# Altium PCB egse_pcb.PcbDoc (part 1 of 3) (continued)
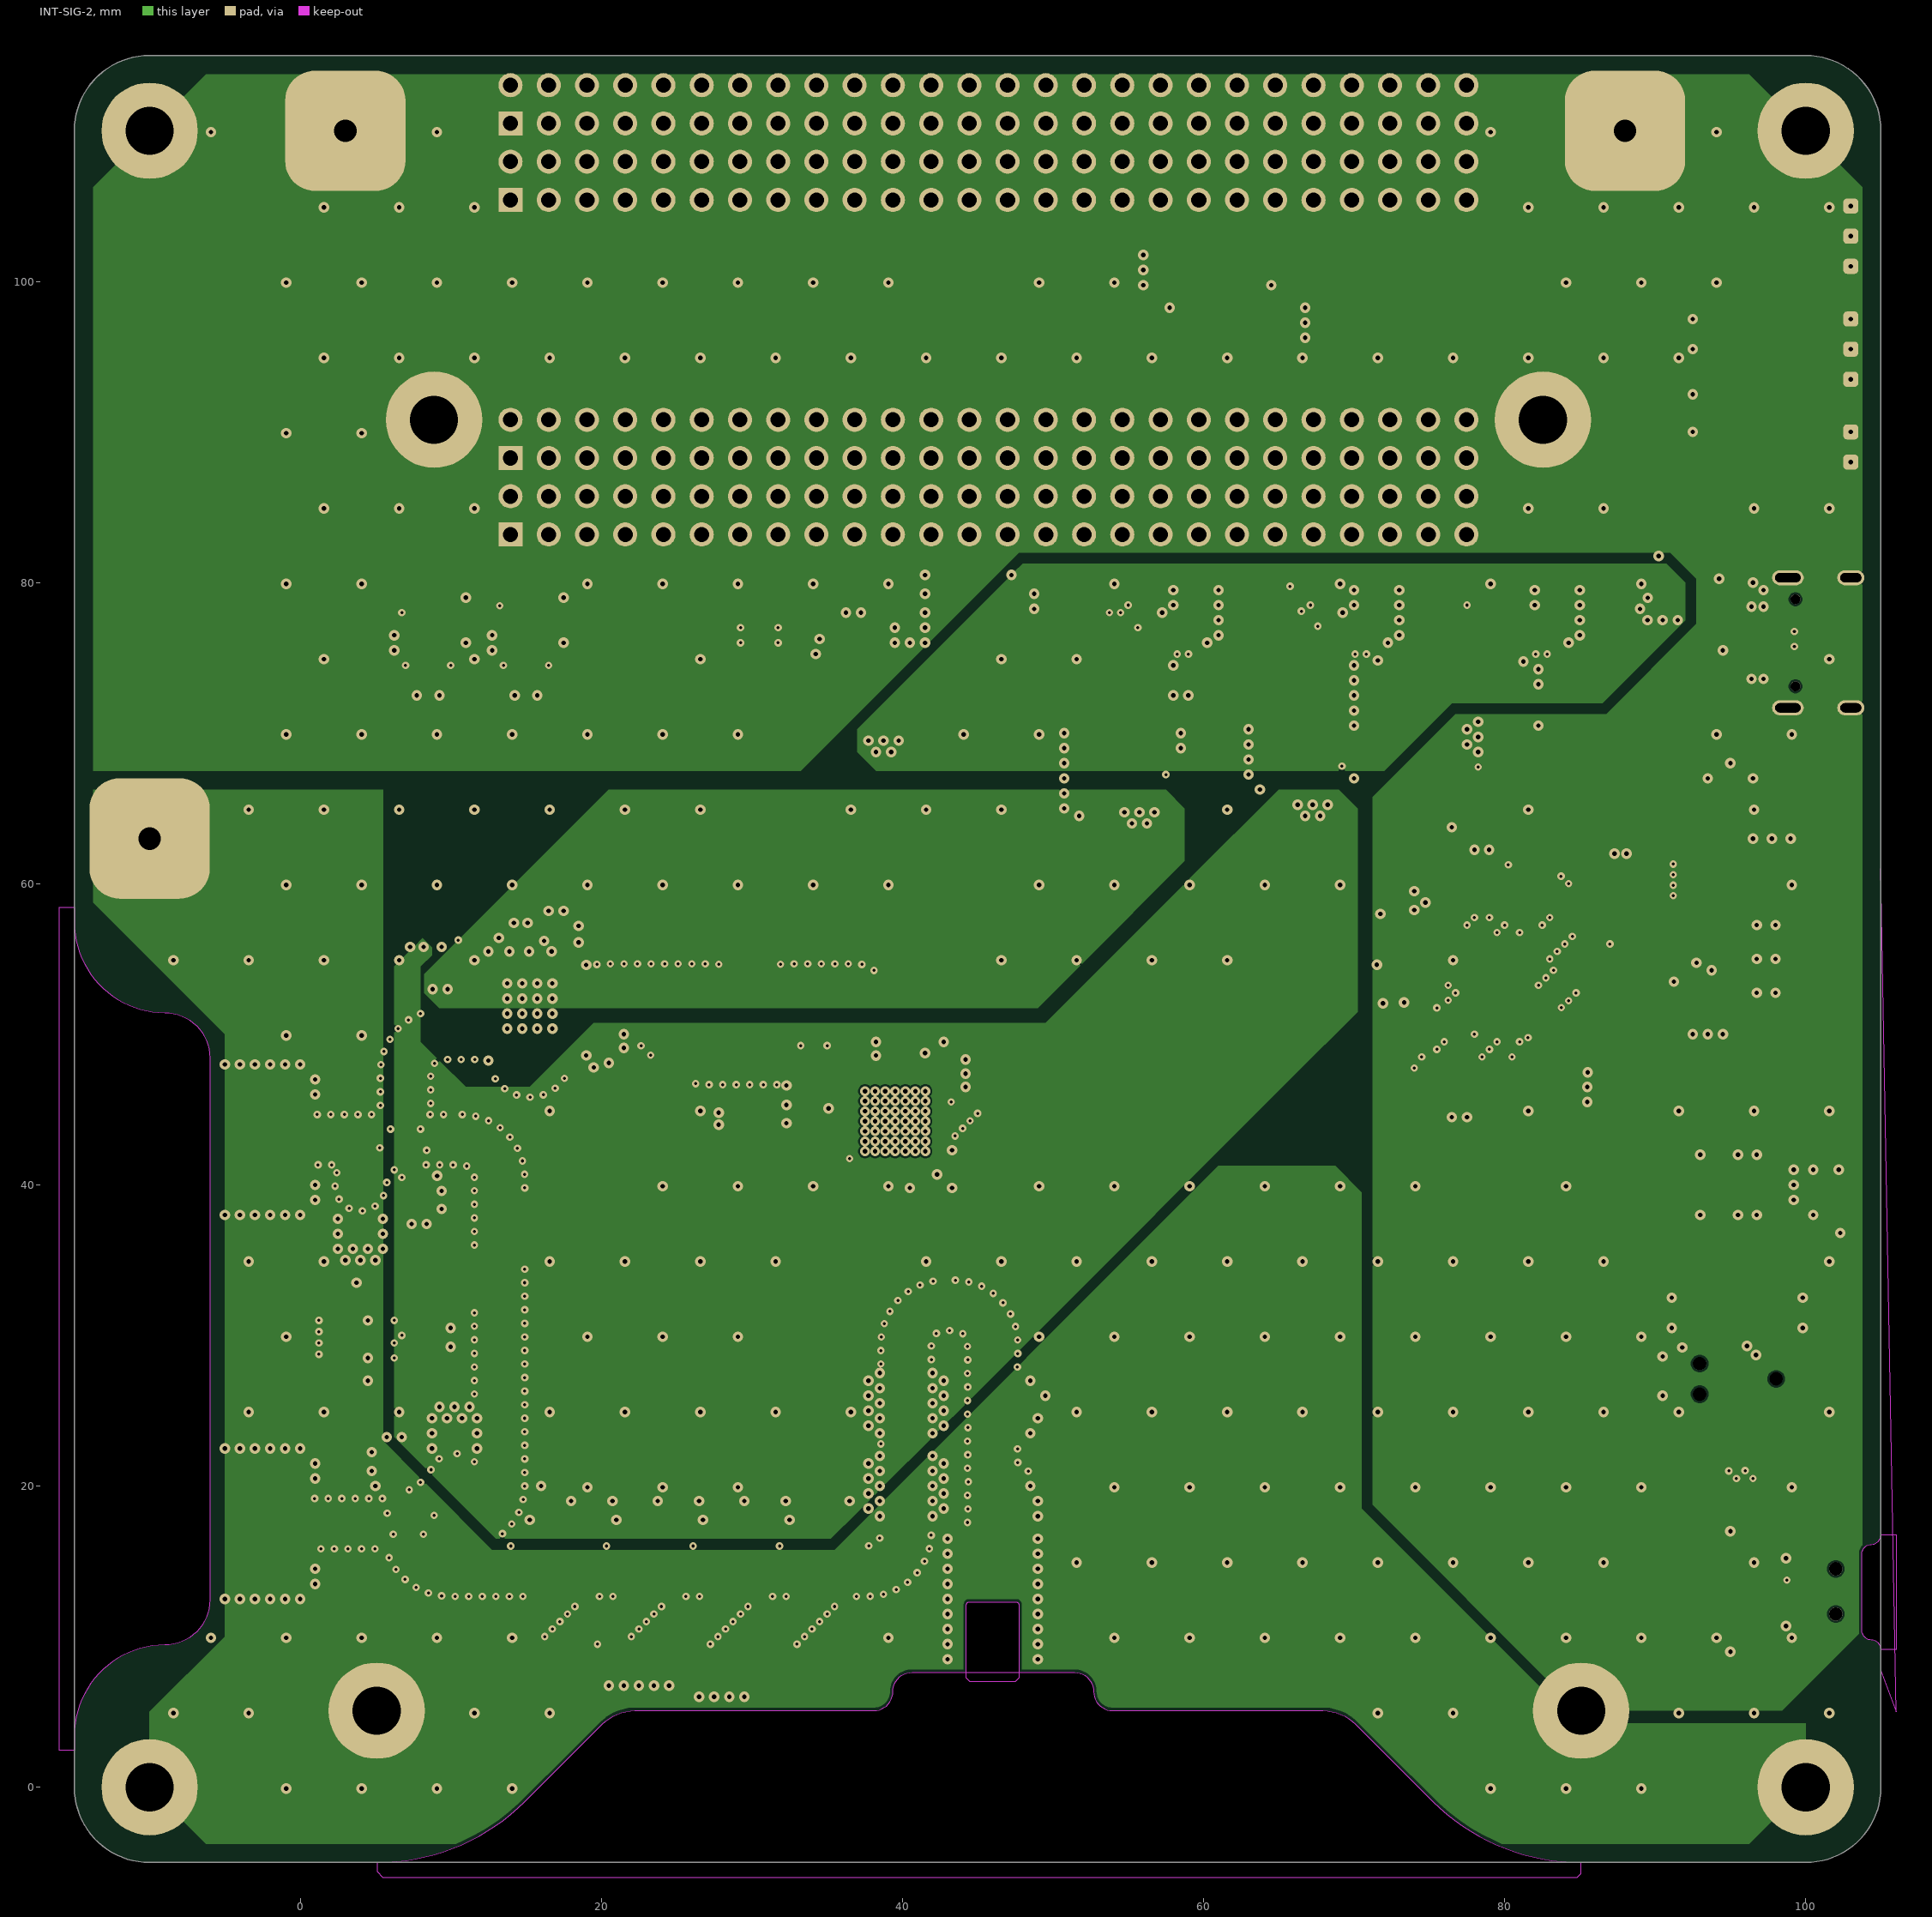
[diagram p4: INT-SIG-2]
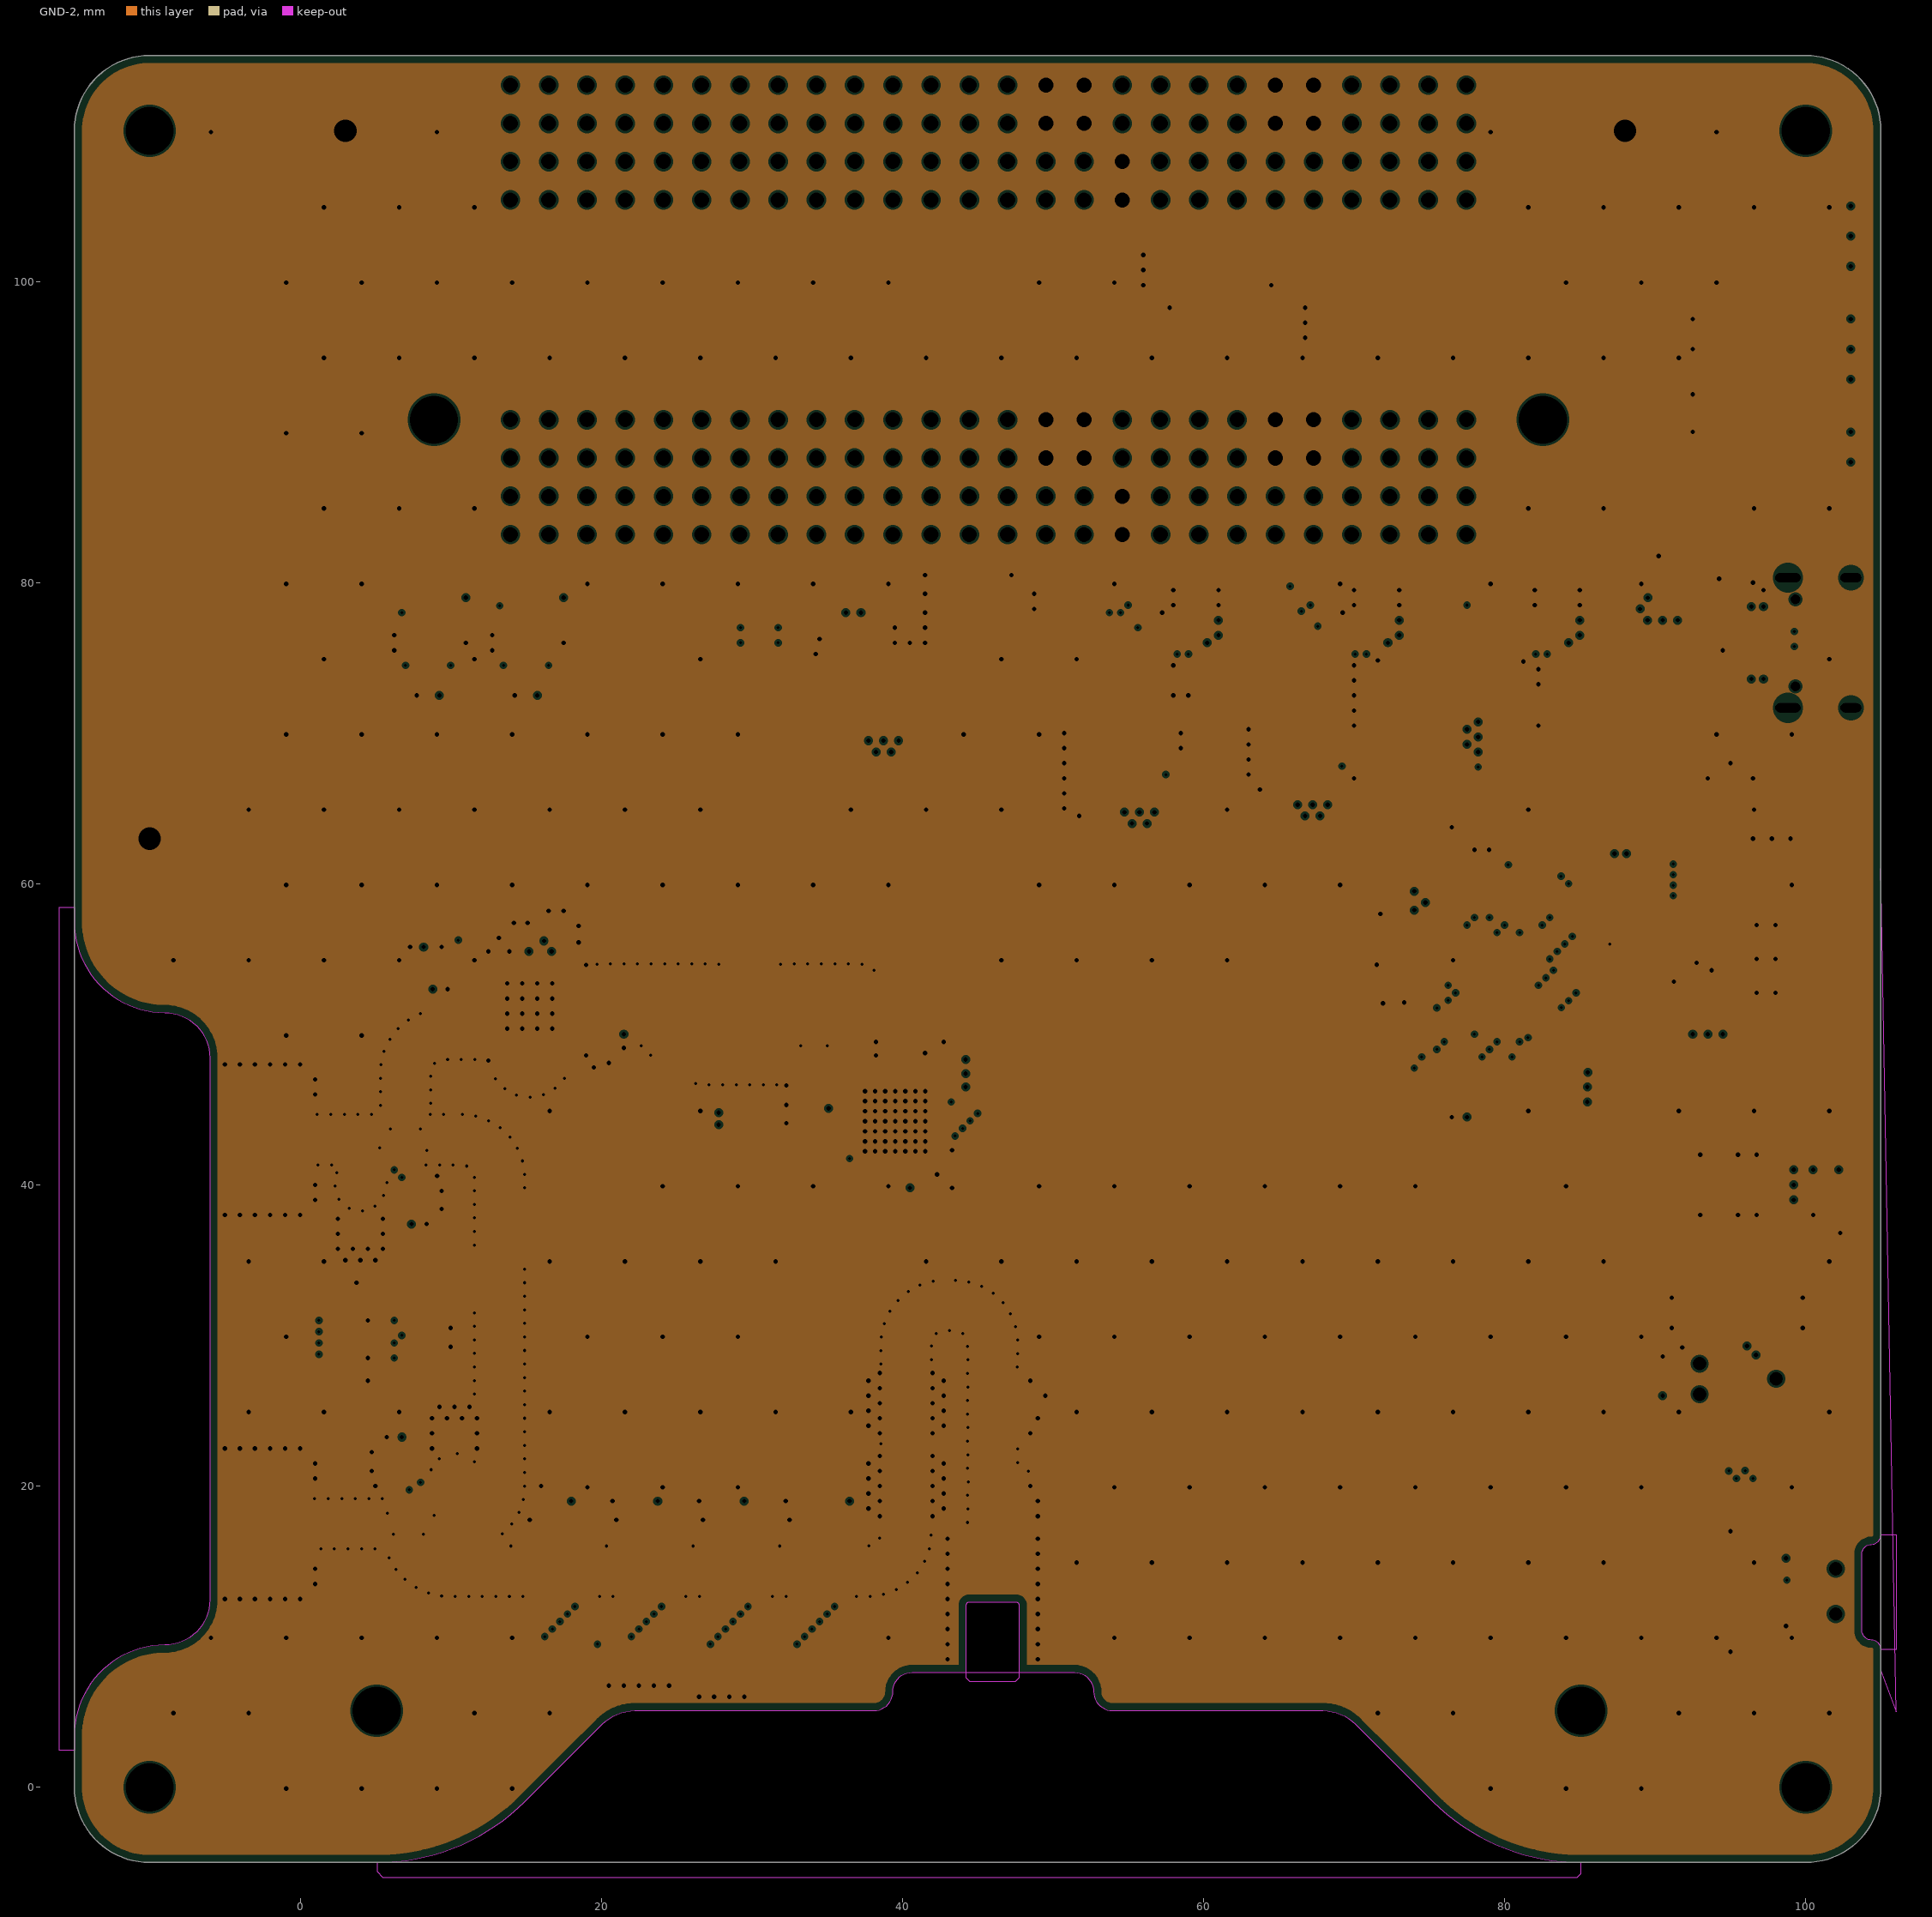
[diagram p5: GND-2, clearances drawn from the general rule]
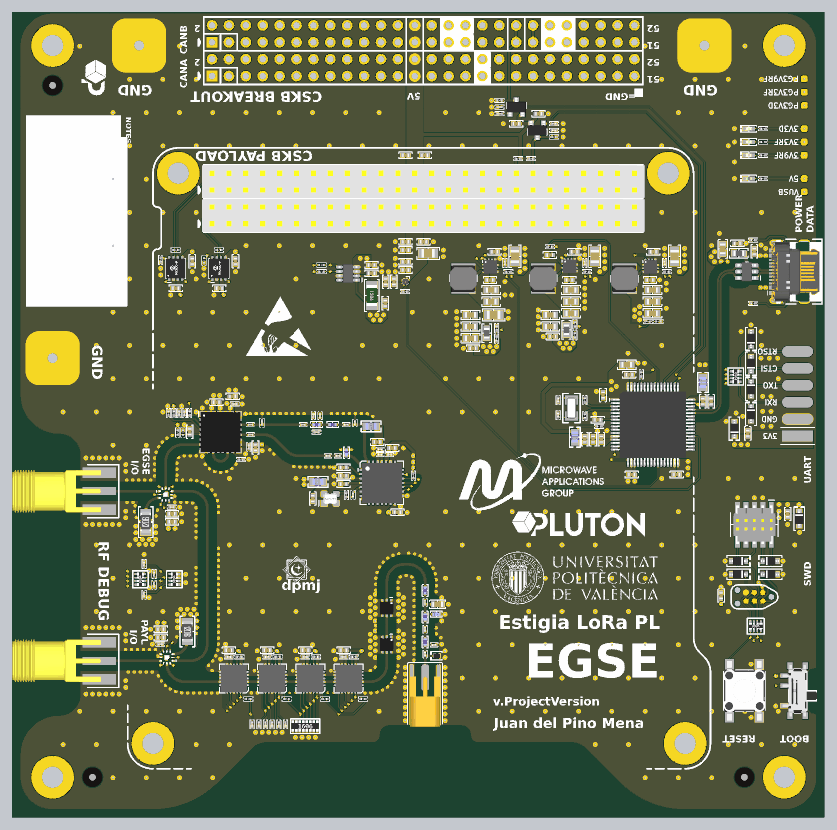
[diagram p8: 3D render of the assembled board from above, using the file's embedded part models]

## Layer stack, top to bottom
Top Solder: solder mask 0.0254, SM-001, Dk 4
Top Layer: signal copper 0.0175
Dielectric-1: prepreg 0.22, PP-006, Dk 4.1
GND-1: plane copper 0.035, net GND
Core-1: core 0.35, Core-035, Dk 4.7
INT-SIG-1: signal copper 0.035
Dielectric-2: prepreg 0.22, PP-006, Dk 4.1
INT-SIG-2: signal copper 0.035
Core-2: core 0.35, Core-035, Dk 4.7
GND-2: plane copper 0.035, net GND
Dielectric-3: prepreg 0.22, PP-006, Dk 4.1
Bottom Layer: signal copper 0.0175
Bottom Solder: solder mask 0.0254, SM-001, Dk 4

## Board outline
-15,0 -15,110 cw(c-10,110) -10,115 100,115 cw(c100,110) 105,110 105,0 cw(c100,0) 100,-5 -10,-5 cw(c-10,0)
cut-out: 106.008,16.76 106.008,9.14 105.008,9.14 ccw(c104.373,9.14) 104.373,9.775 cw(c104.373,10.41) 103.738,10.41 103.738,15.49 cw(c104.373,15.49) 104.373,16.125 ccw(c104.373,16.76) 105.008,16.76
cut-out: -16,2.441 -16,58.441 -15,58.441 -15,57.441 ccw(c-9,57.441) -9,51.441 cw(c-9,48.441) -6,48.441 -6,30.441 -6,12.441 cw(c-9,12.441) -9,9.441 ccw(c-9,3.441) -15,3.441 -15,2.441
cut-out: 5.5,-6 5.125,-5.625 5.125,-5 ccw(c5.125,8.893) 14.949,-0.931 18.048,2.168 20.074,4.187 cw(c22.23,2.031) 22.23,5.08 38.1,5.08 ccw(c38.1,6.35) 39.37,6.35 cw(c40.64,6.35) 40.64,7.62 51.435,7.62 cw(c51.435,6.35) 52.705,6.35 ccw(c53.975,6.35) 53.975,5.08 67.945,5.08 cw(c67.945,2.031) 70.101,4.187 72.127,2.168 75.226,-0.931 ccw(c85.05,8.893) 85.05,-5 85.05,-5.748 84.797,-6
cut-out: 44.25,7.25 44.25,12.1 cw(c44.45,12.1) 44.45,12.3 47.55,12.3 cw(c47.55,12.1) 47.75,12.1 47.75,7.25 47.5,7 44.5,7
cut-out: 105,7.73 106,5 105,61

## Design rules (kind name [scope] priority, off if disabled: settings)
BoardOutlineClearance BoardOutlineClearance_MH_SH [InComponent('MH1') Or InComponent('MH2') Or InComponent('SH1')] p1: gap=0 ignorepadtopadclearanceinfootprint=FALSE
BoardOutlineClearance BoardOutlineClearance_layers [WithinRoom('layers_room')] p2: gap=0 ignorepadtopadclearanceinfootprint=FALSE
BoardOutlineClearance BoardOutlineClearance_EARTH [InNet('EARTH')] p3: gap=0.1 ignorepadtopadclearanceinfootprint=FALSE
BoardOutlineClearance [All] p4: gap=0.2 ignorepadtopadclearanceinfootprint=FALSE
Clearance "Stitching GND" [IsStitchingVia and InNet('GND') vs (IsVia and (Not IsStitchingVia)) Or IsPad] p1: gap=0.15 ignorepadtopadclearanceinfootprint=FALSE
Clearance [All] p2: gap=0.125 ignorepadtopadclearanceinfootprint=TRUE
ComponentClearance clearance_shield [InComponent('SH1')] p1: gap=0 collisioncheckmode=3 verticalgap=0.254 showdistances=FALSE
ComponentClearance [All] p2: gap=0.254 collisioncheckmode=3 verticalgap=0.254 showdistances=FALSE
DiffPairsRouting "Schematic Differential Pairs Routing" [InNetClass('USB90')] p1: maxlimit=0.127 minlimit=0.127 mostfreqgap=0.127 toplayer_minwidth=0.269 toplayer_maxwidth=0.269 toplayer_prefwidth=0.269 bottomlayer_minwidth=0.269 bottomlayer_maxwidth=0.269 bottomlayer_prefwidth=0.269 impedanceprofiledriven=TRUE impedanceprofileid={5D9F00A7-B8B1-40F5-8B71-307B2CF47BC8} impedanceprofilevalue=90.000000 maxuncoupledlength=12.7
DiffPairsRouting Diff_100ohmDiffPairsRouting [InDifferentialPairClass('Diff_100ohm')] p2: maxlimit=0.127 minlimit=0.127 mostfreqgap=0.127 toplayer_minwidth=0.181 toplayer_maxwidth=0.181 toplayer_prefwidth=0.181 midlayer1_minwidth=0.109 midlayer1_maxwidth=0.109 midlayer1_prefwidth=0.109 midlayer2_minwidth=0.109 midlayer2_maxwidth=0.109 midlayer2_prefwidth=0.109 bottomlayer_minwidth=0.181 bottomlayer_maxwidth=0.181 bottomlayer_prefwidth=0.181 maxuncoupledlength=12.7
DiffPairsRouting Diff_90ohmDiffPairsRouting [InDifferentialPairClass('Diff_90ohm')] p3: maxlimit=0.127 minlimit=0.127 mostfreqgap=0.127 toplayer_minwidth=0.334 toplayer_maxwidth=0.334 toplayer_prefwidth=0.334 midlayer1_minwidth=0.381 midlayer1_maxwidth=0.381 midlayer1_prefwidth=0.381 midlayer2_minwidth=0.381 midlayer2_maxwidth=0.381 midlayer2_prefwidth=0.381 bottomlayer_minwidth=0.334 bottomlayer_maxwidth=0.334 bottomlayer_prefwidth=0.334 impedanceprofiledriven=TRUE maxuncoupledlength=5
DiffPairsRouting [All] p4: maxlimit=0.2 minlimit=0.2 mostfreqgap=0.2 toplayer_minwidth=0.16 toplayer_maxwidth=0.3 toplayer_prefwidth=0.2 midlayer1_minwidth=0.16 midlayer1_maxwidth=0.3 midlayer1_prefwidth=0.2 midlayer2_minwidth=0.16 midlayer2_maxwidth=0.3 midlayer2_prefwidth=0.2 bottomlayer_minwidth=0.16 bottomlayer_maxwidth=0.3 bottomlayer_prefwidth=0.2 maxuncoupledlength=12.7
HoleSize [All] p1: absolutevalues=TRUE maxlimit=6 minlimit=0.2 maxpercent=80.000 minpercent=20.000
HoleToHoleClearance [All] p1: gap=0.25 allowstackedmicrovias=FALSE
MatchedLengths ETH_iterpair_skew [InNetClass('ETH')] p1: tolerance=1.2 checknetsindiffpair=FALSE checkdiffpairvsdiffpair=TRUE checkxsignals=TRUE checkothers=TRUE
MatchedLengths GETH_interpair_skew [InNetClass('GETH')] p2: tolerance=15.2 checknetsindiffpair=FALSE checkdiffpairvsdiffpair=TRUE checkxsignals=TRUE checkothers=TRUE
MatchedLengths Diff_100ohm_intrapair_skew [InDifferentialPairClass('Diff_100ohm')] p3: tolerance=1.2 checknetsindiffpair=TRUE checkdiffpairvsdiffpair=FALSE checkxsignals=FALSE checkothers=FALSE
MatchedLengths Diff_90ohm_intrapair_skew [InDifferentialPairClass('Diff_90ohm')] p4: tolerance=1.2 checknetsindiffpair=TRUE checkdiffpairvsdiffpair=FALSE checkxsignals=FALSE checkothers=FALSE
MinimumSolderMaskSliver [All] p1: minsoldermaskwidth=0.01
PlaneClearance [All] p1: clearance=0.15
PlaneConnect [All] p1: planeconnectstyle=Direct reliefexpansion=0.2 reliefentries=4 reliefconductorwidth=0.2 reliefairgap=0.2
PolygonConnect [All] p1: connectstyle=Direct reliefconductorwidth=0.2 reliefentries=4 polygonreliefangle="90 Angle" airgapwidth=0.2
RoutingCorners [All] p1: cornerstyle=45-Degree minsetback=2 maxsetback=2
RoutingVias [All] p1: holewidth=0.3 width=0.6 viastyle="Through Hole" minholewidth=0.3 minwidth=0.6 maxholewidth=1 maxwidth=1.6 useviatemplates=TRUE viatemplateguid#1={7E20F277-5AD4-4BAB-A48F-36B6D57E2C09} viatemplateguid#2={9CB345A1-62E7-492A-B2AB-DDCF87C1DB40} viatemplatename#1=v40h20_lib viatemplatename#2=v60h30_lib
SilkToSilkClearance [All] p1: silktosilkclearance=0.08
SilkToSolderMaskClearance [IsPad] p1: minsilkscreentomaskgap=0.06 clearancetoexposedcopper=TRUE
SolderMaskExpansion SolderMaskExpansion_Via [IsVia] p1: expansion=0.06 istentingtop=FALSE soldermaskfromhole=TRUE
SolderMaskExpansion [All] p2: expansion=0.06 istentingtop=FALSE
Width "Schematic Width Constraint_1" [InNetClass('RF50')] p1: maxlimit=0.408 minlimit=0.104 preferedwidth=0.408 toplayer_minwidth=0.408 bottomlayer_minwidth=0.408 impedanceprofiledriven=TRUE impedanceprofileid={4A297F17-62FD-4640-AB84-8445B2A8D4CA} impedanceprofilevalue=50.000000 minimp=50.000000 maximp=50.000000 favimp=50.000000
Width "Schematic Width Constraint_5" [InNetClass('POWER')] p2: maxlimit=0.5 minlimit=0.3 preferedwidth=0.4 minimp=50.000000 maximp=50.000000 favimp=50.000000
Width [All] p3: maxlimit=2 minlimit=0.15 preferedwidth=0.15
20 further rules are at their usual default settings.

## Classes and differential pairs
component class "BUS BREAKOUT": CN202 CN203
net class USB90: USB.D_N USB.D_P USBC.D_4_N USBC.D_4_P
net class RF50: ANT_BPF_6 ANT_ESD_6 ANT_LPF_6 ANTENNA MID_BPF_6 NetC510_1 NetC511_1 PLRF.FIX1_7 PLRF.FIX2_7 PLRF.VAR1_7 PLRF.VAR2_7 PLRF.VAR3_7 RA.RFI_10 RA.RFO_10 RF_IO RF_IO_ATT RF_RXIN RF_TXIN RFI1_10 RFO1_10 RFO2_10 RFO3_10 RFSW.RX12_9 RFSW.RXOUT_9 RFSW.TXIN_9 SW1.INOUT_8 SW1.LOAD_8 SW1.SMA_8 SW2.LOAD_8 SW2.SMA_8
net class POWER: DC3V3.SW_11 RA.VR_ANA_10 RA.VR_DIG_10 RA.VR_PA_10 RF3V3.SW_11 RF3V3.VO_11 RF3V9.SW_11 RF3V9.VO_11 VBUS_USB VCC_3V3 VCC_BUS_5V_CTRL VCC_RF_3V3 VCC_RF_3V9 VCC_SAT_5V VCC_USB_5V VDDA_3V3
component class TRANSCEIVER: C539 C540 C541 C542 C543 C544 C545 C546 C547 C548 C549 C550 C551 C552 C553 C554 C555 C556 C557 C558 C559 C560 L504 L505 L506 L507 L508 U509 Y561
component class "RF SWITCHES": C523 C524 C525 C526 C527 C528 EGSE_IO PAYL_IO R511 R512 U506 U507
component class "FRONTEND MODULE": C529 C530 C531 C532 C533 C534 C535 C536 C537 C538 R513 R514 R515 R516 R517 R518 U508
component class ATTENUATORS: C515 C516 C517 C518 C519 C520 C521 C522 R503 R504 R505 R506 R507 R508 R509 R510 U500 U501 U502 U503 U504 U505
component class "RF PATH AND TRANSCEIVER": C500 C501 C502 C503 C504 C505 C506 C507 C508 C509 C510 C511 C512 C513 C514 CN500 D500 L500 L501 L502 L503 R500 R501 R502
component class "POWER CONVERTERS": 3V3D 3V3RF 3V9RF C600 C601 C602 C603 C604 C605 C606 C607 C608 C609 C610 C611 C612 C613 C614 C615 C616 C617 C618 C619 C620 C621 C622 C623 C624 C625 C626 C627 C628 D600 D601 D602 D603 FB600 FB601 L600 L601 L602 PG3V3D PG3V3RF PG3V9RF R600 R601 R602 R603 R604 R605 R606 R607 R608 R609 R610 R611 R612 R613 U600 U601 U602
component class "BUS POWER MONITORING": C700 C701 C702 C703 C704 C705 C706 R700 R701 R702 R703 U700 U701
component class PORTS: 5V C800 C801 C802 C803 C804 C805 CN800 CN801 CN802 CN803 D800 D801 D802 D803 D804 D805 D806 D807 D808 D809 FB800 R800 R801 R802 R803 U800 VUSB
component class MICROCONTROLLER: C400 C401 C402 C403 C404 C405 C406 C407 C408 C409 C410 C411 C412 L400 L401 R400 R401 R402 R403 S400 S401 U400 Y400
component class "CUBESAT BUS": C200 C201 C202 C203 C204 C205 C206 C207 C208 C209 C210 C211 C212 C213 C214 C215 CN200 CN201 Q200 Q201 R200 R201 R202 R203 R204 R205 R206 R207 U200 U201
component class 1_cover: EM1 FID100 FID101 FID102 LOG100 LOG101 LOG102 LOG103 LOG104 LOG105 MH100 MH101 MH102 MH103 MH104 MH105 MH106 MH107
differential pair USBC.D_4: +USBC.D_4_P -USBC.D_4_N
differential pair USB.D: +USB.D_P -USB.D_N
differential pair CAN_B_2: +CAN_B_2_H -CAN_B_2_L
differential pair CAN_A_2: +CAN_A_2_H -CAN_A_2_L

## Components (designator, comment, footprint, x,y, rotation, side; value= is the part's Value field where it differs from the comment)
3V3D "Value" testpoint_via 103,97.5 r90 top
3V3RF "Value" testpoint_via 103,95.5 r90 top
3V9RF "Value" testpoint_via 103,93.5 r90 top
5V "Value" testpoint_via 103,90 r90 top
C200 "220 pF" "CAP 0201_0603" 65.37,98.25 r180 top
C201 "220 pF" "CAP 0201_0603" 65.37,97.25 r180 top
C202 "220 pF" "CAP 0201_0603" 57.19,99.75 r0 top
C203 "47 µF" "CAP 0805_2012" 46.45,78.75 r180 top
C204 "1 µF" "CAP 0402_1005" 43.06,80.5 r0 top
C205 "0.1 µF" "CAP 0402_1005" 43.06,93.5 r0 top
C206 "0.1 µF" "CAP 0402_1005" 45.94,93.5 r180 top
C207 "0.1 µF" "CAP 0402_1005" 45.75,80.5 r180 top
C208 "0.1 µF" "CAP 0402_1005" 43.06,79.25 r0 top
C209 "0.1 µF" "CAP 0402_1005" 15.06,73.5 r0 top
C210 "0.1 µF" "CAP 0402_1005" 17.5,77.56 r90 top
C211 "0.1 µF" "CAP 0402_1005" 11,77.56 r90 top
C212 "0.1 µF" "CAP 0402_1005" 8.5,73.5 r0 top
C213 "0.1 µF" "CAP 0402_1005" 63.06,99.75 r180 top
C214 "0.1 µF" "CAP 0402_1005" 59.69,98.25 r0 top
C215 "220 pF" "CAP 0201_0603" 57.19,100.75 r0 top
C400 "0.1 µF" "CAP 0402_1005" 71.94,53.75 r0 top
C401 "12 pF" "CAP 0201_0603" 66,54.44 r270 top
C402 "12 pF" "CAP 0201_0603" 66,56.69 r90 top
C403 "1 µF" "CAP 0402_1005" 71.25,50.81 r270 top
C404 "0.1 µF" "CAP 0402_1005" 72.5,50.81 r270 top
C405 "10000 pF" "CAP 0402_1005" 70,50.81 r270 top
C406 "1 µF" "CAP 0402_1005" 89,56.5 r90 top
C407 "0.1 µF" "CAP 0402_1005" 87.75,56.5 r90 top
C408 "0.1 µF" "CAP 0402_1005" 77.06,45.5 r0 top
C409 "0.1 µF" "CAP 0402_1005" 72.75,57.44 r270 top
C410 "0.1 µF" "CAP 0402_1005" 76.69,60.5 r180 top
C411 "0.1 µF" "CAP 0402_1005" 83.81,45.5 r0 top
C412 "4.7 µF" "CAP 0603_1608" 76.325,62 r180 top
C500 "56 pF" "CAP 0201_0603" 3.75,27.44 r90 top
C501 "56 pF" "CAP 0201_0603" 5.25,28.94 r90 top
C502 "56 pF" "CAP 0201_0603" 5.25,30.56 r270 top
C503 "56 pF" "CAP 0201_0603" 3.75,32.06 r270 top
C504 "56 pF" "CAP 0201_0603" 20,7.94 r90 top
C505 "56 pF" "CAP 0201_0603" 21,7.94 r90 top
C506 "56 pF" "CAP 0201_0603" 22,7.94 r90 top
C507 "56 pF" "CAP 0201_0603" 23,7.94 r90 top
C508 "56 pF" "CAP 0201_0603" 24,7.94 r90 top
C509 "56 pF" "CAP 0201_0603" 25,7.94 r90 top
C510 "1.4 pF" "CAP 0201_0603 RF" 46,26.26 r270 top
C511 "1.4 pF" "CAP 0201_0603 RF" 46,22.24 r270 top
C512 "100 pF" "CAP 0201_0603 RF" 46,18.51 r270 top
C513 "2.2 pF" "CAP 0201_0603 RF" 47.36,19.9 r180 top
C514 "62 pF" "CAP 0603_1608 RF" 47.875,26 r180 top
C515 "220 pF" "CAP 0201_0603" 33.75,18.095 r0 top
C516 "0.1 µF" "CAP 0402_1005" 33.75,19.095 r0 top
C517 "220 pF" "CAP 0201_0603" 28,18.095 r0 top
C518 "0.1 µF" "CAP 0402_1005" 28,19.095 r0 top
C519 "220 pF" "CAP 0201_0603" 22.25,18.095 r0 top
C520 "0.1 µF" "CAP 0402_1005" 22.25,19.095 r0 top
C521 "220 pF" "CAP 0201_0603" 16.5,18.095 r0 top
C522 "0.1 µF" "CAP 0402_1005" 16.5,19.095 r0 top
C523 "220 pF" "CAP 0201_0603" 6.19,20 r0 top
C524 "10000 pF" "CAP 0402_1005" 6.25,21 r0 top
C525 "0.1 µF" "CAP 0402_1005" 6.25,22.25 r0 top
C526 "220 pF" "CAP 0201_0603" 7.91,40.6 r180 top
C527 "10000 pF" "CAP 0402_1005" 7.94,39.6 r180 top
C528 "0.1 µF" "CAP 0402_1005" 7.94,38.4 r180 top
C529 "56 pF" "CAP 0201_0603" 9.8,54.71 r270 top
C530 "56 pF" "CAP 0201_0603" 9.025,54.71 r270 top
C531 "100 pF" "CAP 0201_0603 RF" 19.75,53 r180 top
C532 "100 pF" "CAP 0201_0603 RF" 19.76,51.5 r180 top
C533 "1 µF" "CAP 0402_1005" 10.6,51.94 r270 top
C534 "220 pF" "CAP 0201_0603" 19.5,49.69 r90 top
C535 "10000 pF" "CAP 0402_1005" 20.5,49.56 r90 top
C536 "220 pF" "CAP 0201_0603" 17.373,56.125 r180 top
C537 "0.1 µF" "CAP 0402_1005" 14.622,56.375 r0 top
C538 "1 µF" "CAP 0402_1005" 17.06,57.25 r180 top
C539 "100nH" "IND 0603_1608 RF WW" 37.875,52.75 r180 top
C540 "220 Ohms" "RES 0201_0603" 34.16,42.43 r270 top
C541 "10 pF" "CAP 0201_0603" 35.16,42.445 r270 top
C542 "100 pF" "CAP 0201_0603 RF" 34.13,53 r180 top
C543 "47 pF" "CAP 0201_0603 RF" 27.68,53 r180 top
C544 "4.7 pF" "CAP 0201_0603 RF" 35.45,53.26 r270 top
C545 "6.8 pF" "CAP 0201_0603 RF" 30.2,54.36 r270 top
C546 "6.8 pF" "CAP 0201_0603 RF" 29.2,54.36 r270 top
C547 "C?" "CAP 0201_0603" 21.47,53.31 r270 top
C548 "10 kOhms" "RES 0201_0603" 44.25,45.325 r270 top
C549 "4.7 pF" "CAP 0201_0603 RF" 32.91,48.325 r0 top
C550 "100 pF" "CAP 0201_0603 RF" 31.4,48.325 r0 top
C551 "0.1 µF" "CAP 0402_1005" 29.1,41.9 r90 top
C552 "10000 pF" "CAP 0402_1005" 38.8,50.4 r0 top
C553 "47 pF" "CAP 0201_0603 RF" 39.24,48.5 r0 top
C554 "47 pF" "CAP 0201_0603 RF" 39.24,49.3 r180 top
C555 "0.1 µF" "CAP 0402_1005" 33.72,44.075 r0 top
C556 "0.1 µF" "CAP 0402_1005" 33.72,46.575 r0 top
C557 "0.1 µF" "CAP 0402_1005" 33.72,45.325 r0 top
C558 "0.1 µF" "CAP 0402_1005" 41.85,39.825 r180 top
C559 "0.1 µF" "CAP 0402_1005" 41.04,49.5 r180 top
C560 "47 pF" "CAP 0201_0603 RF" 40.66,48.5 r180 top
C600 "2200 pF" "CAP 0201_0603" 82,77.31 r270 top
C601 "2200 pF" "CAP 0201_0603" 70,77.31 r270 top
C602 "2200 pF" "CAP 0201_0603" 58,77.31 r270 top
C603 "22 µF" "CAP 0603_1608" 80.175,73.25 r180 top
C604 "22 µF" "CAP 0603_1608" 80.175,71.5 r180 top
C605 "22 µF" "CAP 0603_1608" 80.175,69.75 r180 top
C606 "0.1 µF" "CAP 0402_1005" 79.81,74.75 r180 top
C607 "10 µF" "CAP 0805_2012" 83.5,78.3 r270 top
C608 "10 µF" "CAP 0805_2012" 71.5,78.3 r270 top
C609 "10 µF" "CAP 0805_2012" 59.5,78.3 r270 top
C610 "0.47 µF" "CAP 0402_1005" 80.31,79 r180 top
C611 "0.1 µF" "CAP 0402_1005" 64.75,78.5 r0 top
C612 "22 µF" "CAP 0603_1608" 67.925,69.75 r180 top
C613 "22 µF" "CAP 0603_1608" 67.925,71.5 r180 top
C614 "22 µF" "CAP 0603_1608" 67.925,73.25 r180 top
C615 "0.1 µF" "CAP 0402_1005" 67.69,74.75 r180 top
C616 "22 µF" "CAP 0603_1608" 64.825,67.75 r0 top
C617 "22 µF" "CAP 0603_1608" 64.825,69.5 r0 top
C618 "0.1 µF" "CAP 0402_1005" 65.19,66.25 r0 top
C619 "0.47 µF" "CAP 0402_1005" 68.44,79 r180 top
C620 "47 µF" "CAP 0805_2012" 56.3,69.5 r180 top
C621 "0.1 µF" "CAP 0402_1005" 55.75,74.75 r180 top
C622 "22 µF" "CAP 0603_1608" 55.925,73.25 r180 top
C623 "22 µF" "CAP 0603_1608" 55.925,71.5 r180 top
C624 "22 µF" "CAP 0603_1608" 52.825,66 r0 top
C625 "22 µF" "CAP 0603_1608" 52.825,67.75 r0 top
C626 "22 µF" "CAP 0603_1608" 52.825,69.5 r0 top
C627 "0.1 µF" "CAP 0402_1005" 53.19,64.5 r0 top
C628 "0.47 µF" "CAP 0402_1005" 56.44,79 r180 top
C700 "0.1 µF" "CAP 0402_1005" 37.94,77 r180 top
C701 "0.1 µF" "CAP 0402_1005" 40,71.25 r270 top
C702 "0.1 µF" "CAP 0402_1005" 37.94,75.75 r180 top
C703 "0.1 µF" "CAP 0402_1005" 41.31,74.5 r270 top
C704 "1 µF" "CAP 0402_1005" 40.06,74.5 r270 top
C705 "0.1 µF" "CAP 0402_1005" 43.06,76.25 r0 top
C706 "1 µF" "CAP 0402_1005" 43.06,77.5 r0 top
C800 "0.1 µF" "CAP 0402_1005" 90.5,27.31 r270 top
C801 "0.1 µF" "CAP 0402_1005" 100.5,39.56 r90 top
C802 "0.1 µF" "CAP 0402_1005" 94.5,51.69 r270 top
C803 "0.1 µF" "CAP 0402_1005" 95.5,79.06 r270 top locked
C804 "0.1 µF" "CAP 0402_1005" 92.94,80.25 r180 top locked
C805 "4.7 µF" "CAP 0603_1608" 90.75,79.425 r270 top locked